# Altium PCB XC Driver Board.PcbDoc (part 2 of 2)
Units mm, origin at the board's own origin, x right, y up, seen from the top; angles counter-clockwise.
Board outline 294 x 74 mm, 2 copper layers (Top Layer, Bottom Layer), stack 1.571 mm thick; 103 components, 217 nets, 715 pads, 84 vias.
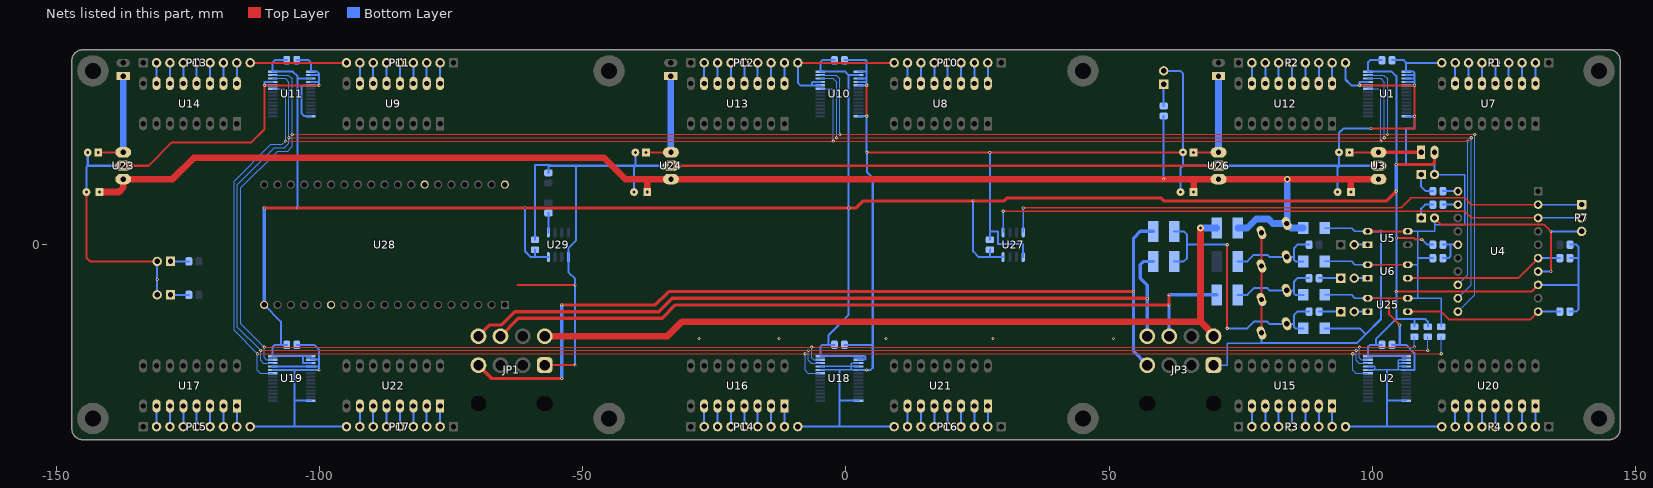
[diagram p2: the nets of this part, all layers, seen from the top]

## Via types
v1: diameter 0.61, hole 0.305, Top Layer to Bottom Layer, 82 vias
v2: diameter 1.27, hole 0.635, Top Layer to Bottom Layer, 2 vias

## Nets (pads, with @x,y where several pads share a name; then routed paths per layer and width w, separated by ;. In a path a pad name is that pad's centre, name@x,y a point inside that pad or via, vN(x,y) a via of type N, cw(c..) or ccw(c..) an arc to the next point about the centre after c; other vN are vias at no path point) (continued)
GND: C1.2 C2.2 C3.2 C4.2 C5.2 C6.2 C7.2 C8.2 C9.2 C10.2 C11.2 C12.2 C13.2 C14.2 C15.2 C16.2 D1.1 D2.1 D3.1 D4.2 D5.2 D6.2 D9.2 D11.2 D12.1 JP1.1 JP3.1 MOV1.2 MOV2.2 MOV3.2 MOV4.2 P1.9 P2.9 P3.9 P4.9 P7.3 P10.9 P11.9 P12.9 P13.9 P14.9 P15.9 P16.9 P17.9 R7.1 R11.1 R13.1 U1.1 U1.2 U1.3 U1.4 U1.5 U1.14 U1.24 U1.25 U2.2 U2.3 U2.4 U2.5 U2.14 U2.24 U2.25 U3.2 U4.7 U5.2 U5.3 U6.2 U6.3 U10.1 U10.3 U10.4 U10.5 U10.14 U10.24 U10.25 U11.1 U11.2 U11.4 U11.5 U11.14 U11.24 U11.25 U18.3 U18.4 U18.5 U18.14 U18.24 U18.25 U19.2 U19.4 U19.5 U19.14 U19.24 U19.25 U23.2 U24.2 U25.2 U25.3 U26.2 U27.5 U28.14 U28.32 U28.38 U29.5 | length 1127.8
  Top Layer w0.254: U25.2@99.06,-10.16 103.124,-10.16 U25.3@106.68,-10.16 ; U6.2@99.06,-3.81 U6.3@106.68,-3.81
  Top Layer w0.381: C14.2@-144.25,10 -144.25,-2.435 -143.503,-3.182 D4.2@-130.808,-3.182 ; U23.2@-137.25,15 -132.447,15 -128.016,19.431 -112.903,19.431 -110.447,21.887 v1(-110.447,30.269) v1(-100.053,30.269) ; P13.9@-113.144,34.544 P11.9@-94.856,34.544 ; -62.357,-7.62 v1(-51.435,-7.62) ; JP1.1@-57.2,-22.86 v1(-51.435,-22.86) ; U24.2@-33.25,15 U26.2@70.75,15 ; P12.9@-9.144,34.544 P10.9@9.144,34.544 ; v1(3.937,24.384) 3.937,30.259 v1(3.947,30.269) ; v1(3.966,17.555) C15.2@64.01,17.555 ; MOV4.2@78.893,-16.744 MOV3.2@78.893,-10.394 MOV2.2@78.893,-4.044 MOV1.2@78.893,2.306 ; v1(97.553,30.269) v1(107.947,30.269) 107.947,24.387 v1(107.95,24.384) 107.95,22.098 v1(99.695,22.098) ; U5.2@99.06,2.54 U5.3@106.68,2.54 ; 103.124,-10.16 103.124,-13.208 v1(105.156,-15.24) ; D6.2@111.758,5.073 112.97,3.861 132.537,3.861 v1(133.858,2.54) v1(133.858,-5.08)
  Bottom Layer w0.254: U18.24@-4.875,-23.769 -1.27,-23.769 1.016,-23.769 ; U18.25@-4.875,-23.119 1.016,-23.119 ; U18.5@2.375,-23.769 1.016,-23.769 ; U18.4@2.375,-23.119 1.016,-23.119 ; U18.3@2.375,-22.469 1.026,-22.469 1.016,-22.479 1.016,-23.119 ; JP3.1@69.8,-22.86 72.39,-22.86 72.39,-18.669 78.867,-18.669 78.893,-18.643 ; D3.1@90.957,-9.525 96.012,-9.525 96.647,-10.16 U25.2@99.06,-10.16 101.6,-10.16 ; D2.1@90.957,-3.175 96.012,-3.175 96.647,-3.81 U6.2@99.06,-3.81 101.6,-3.81 ; D1.1@90.957,3.175 96.012,3.175 96.647,2.54 U5.2@99.06,2.54 ; U2.24@99.125,-23.769 102.743,-23.769 U2.5@106.375,-23.769 ; U2.25@99.125,-23.119 100.452,-23.119 100.452,-23.646 ; 104.902,-23.749 104.902,-21.971 105.054,-21.819 U2.2@106.375,-21.819 ; 104.907,-23.119 U2.4@106.375,-23.119 ; 104.912,-22.469 U2.3@106.375,-22.469 ; U25.3@106.68,-10.16 108.585,-10.16 ; U6.3@106.68,-3.81 108.585,-3.81 ; U5.3@106.68,2.54 108.585,2.54 ; D6.2@111.758,5.073 D6.2@111.758,5.073 111.76,3.806 ; D5.2@111.758,13.328 117.468,13.328 117.475,13.335 117.475,3.81 111.764,3.81 111.76,3.806 ; R7.1@113.03,-15.56 113.03,-10.16 108.585,-10.16 ; 1.016,-23.769 1.016,-23.119 ; 108.585,-10.16 108.585,-3.81 ; 108.585,-3.81 108.585,-2.54 108.585,2.54 ; 108.585,2.54 111.76,2.54 111.76,3.806
  Bottom Layer w0.381: C14.2@-144.25,10 -144.25,14.74 -143.99,15 C6.2@-143.99,17.515 ; -143.75,15 U23.2@-137.25,15 ; D9.2@-130.808,-9.532 v1(-130.808,-6.604) D4.2@-130.808,-3.182 ; P15.9@-113.144,-34.544 P17.9@-94.856,-34.544 ; U19.24@-108.875,-23.769 U19.5@-101.625,-23.769 v1(-100.053,-23.769) -100.053,-23.114 ; U19.25@-108.875,-23.119 U19.4@-101.625,-23.119 -100.058,-23.119 -100.053,-23.114 ; U11.24@-108.875,30.269 v1(-110.447,30.269) -110.447,30.893 -110.421,30.919 U11.25@-108.875,30.919 ; -104.747,-34.516 -104.747,-29.619 ; -104.747,-23.797 -104.747,-29.619 ; C2.2@-104.3,-19 -101.6,-19 -101.015,-19 -100.053,-19.962 -100.053,-21.944 ; C1.2@-104.3,35.038 -102.028,35.038 -101.625,34.635 U11.1@-101.625,32.869 -100.433,32.869 -100.053,32.489 v1(-100.053,30.269) U11.5@-101.625,30.269 -103.081,30.269 -103.378,29.972 -103.378,24.892 -102.905,24.419 U11.14@-101.625,24.419 ; U19.14@-101.625,-29.619 -104.747,-29.619 ; U19.2@-101.625,-21.819 -100.178,-21.819 -100.053,-21.944 ; U11.4@-101.625,30.919 -100.122,30.919 ; U11.2@-101.625,32.219 -100.141,32.219 ; -101.534,34.544 P11.9@-94.856,34.544 ; C16.2@-59.055,0.95 -59.055,15.113 -56.247,15.113 -56.134,15 ; R11.1@-56.515,13.65 -56.515,14.986 -56.501,15 -56.134,15 ; v1(-51.435,-22.86) v1(-51.435,-7.62) -51.435,-6.477 -52.705,-5.207 U29.5@-52.705,-2.35 -52.705,-0.635 -51.308,0.762 -51.308,15 ; C3.2@-40.25,10 -40.25,14.74 -39.99,15 ; C13.2@-39.99,17.515 -39.99,15 ; U24.2@-33.25,15 -39.99,15 ; P14.9@-9.144,-34.544 -1.27,-34.544 ; P12.9@-9.144,34.544 -9.144,30.734 -8.679,30.269 -6.477,30.269 ; U10.24@-4.875,30.269 -6.477,30.269 ; U10.25@-4.875,30.919 -6.292,30.919 -6.477,30.734 -6.477,30.269 ; -1.27,-23.769 -1.27,-29.591 ; C9.2@-0.3,-19 5.03,-19 ; C10.2@-0.3,35.038 3.824,35.038 3.913,34.949 3.913,32.869 ; U18.14@2.375,-29.619 -1.242,-29.619 -1.27,-29.591 ; U18.5@2.375,-23.769 v1(3.947,-23.769) 4.679,-23.769 5.08,-23.368 5.08,12.7 3.966,13.814 v1(3.966,17.555) 3.937,17.526 v1(3.937,24.384) 3.902,24.419 U10.14@2.375,24.419 ; U10.5@2.375,30.269 v1(3.947,30.269) 3.913,30.303 3.913,32.869 ; U10.4@2.375,30.919 3.844,30.919 ; U10.3@2.375,31.569 3.84,31.569 ; U10.1@2.375,32.869 3.913,32.869 ; 4.04,34.544 P10.9@9.144,34.544 ; P16.9@9.144,-34.544 -1.27,-34.544 ; C12.2@27.305,0.95 27.305,2.54 ; v1(27.305,17.526) 27.305,2.54 ; U27.5@33.655,-2.35 33.655,0.127 28.829,0.127 28.829,2.54 27.305,2.54 ; D11.2@60.332,33.018 63.502,33.018 64.01,32.51 C15.2@64.01,17.555 ; C5.2@63.52,10 63.52,14.51 64.01,15 C15.2@64.01,17.515 ; 64.25,15 U26.2@70.75,15 93.625,15 ; MOV4.2@78.893,-16.744 78.893,-18.643 97.054,-18.643 98.679,-17.018 ; D12.1@90.957,-15.875 97.536,-15.875 98.679,-17.018 ; C11.2@93.365,10 93.365,14.625 93.625,14.885 93.625,15 ; P3.9@94.856,-34.544 102.743,-34.544 ; P2.9@94.856,34.544 94.856,31.382 95.969,30.269 v1(97.553,30.269) ; U5.2@99.06,2.54 101.473,2.54 101.6,2.667 101.6,-3.81 101.6,-10.16 101.6,-14.097 98.679,-17.018 ; U1.24@99.125,30.269 v1(97.553,30.269) ; U1.25@99.125,30.919 97.594,30.919 97.553,30.878 v1(97.553,30.269) ; v1(99.695,22.098) 94.488,22.098 93.625,21.235 93.625,17.525 93.625,15 ; U3.2@101.12,15 93.625,15 ; 102.743,-23.769 102.743,-34.544 ; 102.77,-29.618 U2.14@106.375,-29.618 ; C8.2@103.7,-19 105.156,-19 ; C7.2@103.7,35.038 105.932,35.038 106.375,34.595 U1.1@106.375,32.869 107.72,32.869 107.947,32.642 v1(107.947,30.269) U1.5@106.375,30.269 ; v1(105.156,-15.24) 105.156,-19 ; U2.5@106.375,-23.769 107.947,-23.769 107.947,-20.571 106.376,-19 105.156,-19 ; U1.4@106.375,30.919 107.878,30.919 ; U1.3@106.375,31.569 107.874,31.569 ; U1.2@106.375,32.219 107.911,32.219 ; U1.14@106.41,24.384 v1(107.95,24.384) 107.95,22.098 106.299,22.098 106.299,15.24 111.76,15.24 111.758,15.238 D5.2@111.758,13.328 ; 106.426,34.544 P1.9@113.144,34.544 ; 108.585,-2.54 R13.1@111.445,-2.54 ; P4.9@113.144,-34.544 102.743,-34.544 ; U4.7@131.445,-5.08 v1(133.858,-5.08) ; v1@134.112,2.54 P7.3@139.7,2.54 ; -100.053,-23.114 -100.053,-21.944 ; -56.134,15 -51.308,15 ; -51.308,15 -39.99,15 ; -1.27,-34.544 -1.27,-29.591
  other v1: -27.94,-17.78 -12.7,-17.78 7.62,-17.78 27.94,-17.78 50.8,-17.78
I+: D13.1 R4.1 | length 4.1
  Bottom Layer w0.381: R4.1@89.857,-12.707 D13.1@93.978,-12.707
IND: R37.2 U4.10 U25.4 | length 30.2
  Top Layer w0.381: U25.4@106.68,-12.7 113.03,-12.7 114.554,-14.224 129.921,-14.224 U4.10@131.445,-12.7
  Bottom Layer w0.381: U4.10@131.445,-12.7 R37.2@135.575,-12.7
IND_LEFT: FUSE4.1 JP1.8 JP3.8 | length 146.8
  Top Layer w0.635: JP1.8@-69.8,-17.36 -67.68,-15.24 -65.405,-15.24 -62.865,-12.7 -35.56,-12.7 -33.02,-10.16 57.15,-10.16 v1(57.2,-10.21)
  Bottom Layer w0.635: JP3.8@57.2,-17.36 v1(57.2,-10.21) 57.2,-7.67 55.88,-6.35 55.88,-3.81 56.515,-3.175 FUSE4.1@58.325,-3.175
IND_RIGHT: FUSE5.1 JP1.4 JP3.4 | length 169.9
  Top Layer w0.635: JP1.4@-69.8,-22.86 -67.26,-25.4 v1(-53.975,-25.4) ; v1(-53.975,-11.43) -36.195,-11.43 -33.655,-8.89 v1(54.61,-8.89)
  Bottom Layer w0.635: v1(-53.975,-25.4) v1(-53.975,-11.43) ; JP3.4@57.2,-22.86 54.61,-20.27 v1(54.61,-8.89) 54.61,1.27 55.88,2.54 FUSE5.1@58.325,2.54
LED_0: R33.2 U4.19 | length 2.9
  Bottom Layer w0.381: R33.2@113.345,7.62 U4.19@116.205,7.62
LED_1: R32.2 U4.20 | length 2.9
  Bottom Layer w0.381: R32.2@113.345,10.16 U4.20@116.205,10.16
NetC4_1: C4.1 P8.1 U3.3 | length 13.6
  Top Layer w0.381: C4.1@95.615,17.54 U3.3@101.12,17.54
  Top Layer w0.635: U3.3@101.12,17.54 P8.1@109.22,17.54
NetC6_1: C6.1 P18.1 U23.3 | length 19.2
  Top Layer w0.381: C6.1@-141.96,17.54 U23.3@-137.25,17.54
  Bottom Layer w1.27: U23.3@-137.25,17.54 P18.1@-137.25,31.98
NetC13_1: C13.1 P9.1 U24.3 | length 19.2
  Top Layer w0.381: C13.1@-37.96,17.54 U24.3@-33.25,17.54
  Bottom Layer w1.27: U24.3@-33.25,17.54 P9.1@-33.25,31.98
NetC15_1: C15.1 P5.1 U26.3 | length 19.2
  Top Layer w0.381: C15.1@66,17.54 U26.3@70.75,17.54
  Bottom Layer w1.27: U26.3@70.75,17.54 P5.1@70.75,31.98
NetD2_2: D2.2 FUSE2.2 MOV2.1 R2.2 | length 18.7
  Bottom Layer w0.381: FUSE2.2@74.39,-3.175 76.2,-3.175 77.47,-1.905 80.01,-1.905 80.411,-2.306 MOV2.1@83.667,-2.306 85.09,-2.306 ; D2.2@86.843,-3.175 85.344,-3.175 85.09,-2.921 85.09,-2.306 ; R2.2@87.95,0 85.725,0 85.09,-0.635 85.09,-2.306
NetD3_2: D3.2 FUSE3.2 MOV3.1 R3.2 | length 18.7
  Bottom Layer w0.381: FUSE3.2@74.39,-9.525 76.2,-9.525 77.47,-8.255 80.01,-8.255 80.411,-8.656 MOV3.1@83.667,-8.656 85.09,-8.656 ; D3.2@86.843,-9.525 85.344,-9.525 85.09,-9.271 85.09,-8.656 ; R3.2@87.95,-6.35 85.725,-6.35 85.09,-6.985 85.09,-8.656
NetD4_1: D4.1 R8.1 | length 3.5
  Bottom Layer w0.381: D4.1@-128.261,-3.175 R8.1@-124.775,-3.175
NetD5_1: D5.1 R32.1 | length 4.9
  Bottom Layer w0.381: D5.1@109.218,13.328 109.218,11.051 110.109,10.16 R32.1@111.445,10.16
NetD6_1: D6.1 R33.1 | length 4.3
  Bottom Layer w0.381: D6.1@109.218,5.073 109.218,6.856 109.982,7.62 R33.1@111.445,7.62
NetD7_2: D7.2 U5.1 | length 2.5
  Bottom Layer w0.381: D7.2@96.526,0 U5.1@99.06,0
NetD8_2: D8.2 U6.1 | length 2.5
  Bottom Layer w0.381: D8.2@96.526,-6.35 U6.1@99.06,-6.35
NetD9_1: D9.1 R9.1 | length 3.5
  Bottom Layer w0.381: D9.1@-128.261,-9.525 R9.1@-124.775,-9.525
NetD11_1: D11.1 R1.1 | length 4.1
  Bottom Layer w0.381: R1.1@60.325,26.35 D11.1@60.325,30.471
NetD12_2: D12.2 FUSE4.2 FUSE5.2 MOV4.1 R4.2 | length 54
  Top Layer w0.381: v1(72.39,-15.875) v1(72.39,0)
  Bottom Layer w0.381: FUSE4.2@62.325,-3.175 64.135,-3.175 64.77,-2.54 64.77,0 ; FUSE5.2@62.325,2.54 64.135,2.54 64.77,1.905 64.77,0 ; v1(72.39,-15.875) 76.2,-15.875 77.47,-14.605 80.01,-14.605 80.411,-15.006 MOV4.1@83.667,-15.006 85.09,-15.006 ; v1(72.39,0) 64.77,0 ; D12.2@86.843,-15.875 85.344,-15.875 85.09,-15.621 85.09,-15.006 ; R4.2@87.95,-12.7 85.725,-12.7 85.09,-13.335 85.09,-15.006
NetD13_2: D13.2 U25.1 | length 2.5
  Bottom Layer w0.381: D13.2@96.526,-12.7 U25.1@99.06,-12.7
NetP1_2: P1.2 U7.16 | length 3.9
  Bottom Layer w0.381: U7.16@130.924,30.62 P1.2@130.924,34.544
NetP1_3: P1.3 U7.15 | length 3.9
  Bottom Layer w0.381: U7.15@128.384,30.62 P1.3@128.384,34.544
NetP1_4: P1.4 U7.14 | length 3.9
  Bottom Layer w0.381: U7.14@125.844,30.62 P1.4@125.844,34.544
NetP1_5: P1.5 U7.13 | length 3.9
  Bottom Layer w0.381: U7.13@123.304,30.62 P1.5@123.304,34.544
NetP1_6: P1.6 U7.12 | length 3.9
  Bottom Layer w0.381: U7.12@120.764,30.62 P1.6@120.764,34.544
NetP1_7: P1.7 U7.11 | length 3.9
  Bottom Layer w0.381: U7.11@118.224,30.62 P1.7@118.224,34.544
NetP1_8: P1.8 U7.10 | length 3.9
  Bottom Layer w0.381: U7.10@115.684,30.62 P1.8@115.684,34.544
NetP2_2: P2.2 U12.10 | length 3.9
  Bottom Layer w0.381: U12.10@77.076,30.62 P2.2@77.076,34.544
NetP2_3: P2.3 U12.11 | length 3.9
  Bottom Layer w0.381: U12.11@79.616,30.62 P2.3@79.616,34.544
NetP2_4: P2.4 U12.12 | length 3.9
  Bottom Layer w0.381: U12.12@82.156,30.62 P2.4@82.156,34.544
NetP2_5: P2.5 U12.13 | length 3.9
  Bottom Layer w0.381: U12.13@84.696,30.62 P2.5@84.696,34.544
NetP2_6: P2.6 U12.14 | length 3.9
  Bottom Layer w0.381: U12.14@87.236,30.62 P2.6@87.236,34.544
NetP2_7: P2.7 U12.15 | length 3.9
  Bottom Layer w0.381: U12.15@89.776,30.62 P2.7@89.776,34.544
NetP2_8: P2.8 U12.16 | length 3.9
  Bottom Layer w0.381: U12.16@92.316,30.62 P2.8@92.316,34.544
NetP3_2: P3.2 U15.7 | length 3.9
  Bottom Layer w0.381: P3.2@77.076,-34.544 U15.7@77.076,-30.62
NetP3_3: P3.3 U15.6 | length 3.9
  Bottom Layer w0.381: P3.3@79.616,-34.544 U15.6@79.616,-30.62
NetP3_4: P3.4 U15.5 | length 3.9
  Bottom Layer w0.381: P3.4@82.156,-34.544 U15.5@82.156,-30.62
NetP3_5: P3.5 U15.4 | length 3.9
  Bottom Layer w0.381: P3.5@84.696,-34.544 U15.4@84.696,-30.62
NetP3_6: P3.6 U15.3 | length 3.9
  Bottom Layer w0.381: P3.6@87.236,-34.544 U15.3@87.236,-30.62
NetP3_7: P3.7 U15.2 | length 3.9
  Bottom Layer w0.381: P3.7@89.776,-34.544 U15.2@89.776,-30.62
NetP3_8: P3.8 U15.1 | length 3.9
  Bottom Layer w0.381: P3.8@92.316,-34.544 U15.1@92.316,-30.62
NetP4_2: P4.2 U20.1 | length 3.9
  Bottom Layer w0.381: P4.2@130.924,-34.544 U20.1@130.924,-30.62
NetP4_3: P4.3 U20.2 | length 3.9
  Bottom Layer w0.381: P4.3@128.384,-34.544 U20.2@128.384,-30.62
NetP4_4: P4.4 U20.3 | length 3.9
  Bottom Layer w0.381: P4.4@125.844,-34.544 U20.3@125.844,-30.62
NetP4_5: P4.5 U20.4 | length 3.9
  Bottom Layer w0.381: P4.5@123.304,-34.544 U20.4@123.304,-30.62
NetP4_6: P4.6 U20.5 | length 3.9
  Bottom Layer w0.381: P4.6@120.764,-34.544 U20.5@120.764,-30.62
NetP4_7: P4.7 U20.6 | length 3.9
  Bottom Layer w0.381: P4.7@118.224,-34.544 U20.6@118.224,-30.62
NetP4_8: P4.8 U20.7 | length 3.9
  Bottom Layer w0.381: P4.8@115.684,-34.544 U20.7@115.684,-30.62
NetP10_2: P10.2 U8.16 | length 3.9
  Bottom Layer w0.381: U8.16@26.924,30.62 P10.2@26.924,34.544
NetP10_3: P10.3 U8.15 | length 3.9
  Bottom Layer w0.381: U8.15@24.384,30.62 P10.3@24.384,34.544
NetP10_4: P10.4 U8.14 | length 3.9
  Bottom Layer w0.381: U8.14@21.844,30.62 P10.4@21.844,34.544
NetP10_5: P10.5 U8.13 | length 3.9
  Bottom Layer w0.381: U8.13@19.304,30.62 P10.5@19.304,34.544
NetP10_6: P10.6 U8.12 | length 3.9
  Bottom Layer w0.381: U8.12@16.764,30.62 P10.6@16.764,34.544
NetP10_7: P10.7 U8.11 | length 3.9
  Bottom Layer w0.381: U8.11@14.224,30.62 P10.7@14.224,34.544
NetP10_8: P10.8 U8.10 | length 3.9
  Bottom Layer w0.381: U8.10@11.684,30.62 P10.8@11.684,34.544
NetP11_2: P11.2 U9.16 | length 3.9
  Bottom Layer w0.381: U9.16@-77.076,30.62 P11.2@-77.076,34.544
NetP11_3: P11.3 U9.15 | length 3.9
  Bottom Layer w0.381: U9.15@-79.616,30.62 P11.3@-79.616,34.544
NetP11_4: P11.4 U9.14 | length 3.9
  Bottom Layer w0.381: U9.14@-82.156,30.62 P11.4@-82.156,34.544
NetP11_5: P11.5 U9.13 | length 3.9
  Bottom Layer w0.381: U9.13@-84.696,30.62 P11.5@-84.696,34.544
NetP11_6: P11.6 U9.12 | length 3.9
  Bottom Layer w0.381: U9.12@-87.236,30.62 P11.6@-87.236,34.544
NetP11_7: P11.7 U9.11 | length 3.9
  Bottom Layer w0.381: U9.11@-89.776,30.62 P11.7@-89.776,34.544
NetP11_8: P11.8 U9.10 | length 3.9
  Bottom Layer w0.381: U9.10@-92.316,30.62 P11.8@-92.316,34.544
NetP12_2: P12.2 U13.10 | length 3.9
  Bottom Layer w0.381: U13.10@-26.924,30.62 P12.2@-26.924,34.544
NetP12_3: P12.3 U13.11 | length 3.9
  Bottom Layer w0.381: U13.11@-24.384,30.62 P12.3@-24.384,34.544
NetP12_4: P12.4 U13.12 | length 3.9
  Bottom Layer w0.381: U13.12@-21.844,30.62 P12.4@-21.844,34.544
NetP12_5: P12.5 U13.13 | length 3.9
  Bottom Layer w0.381: U13.13@-19.304,30.62 P12.5@-19.304,34.544
NetP12_6: P12.6 U13.14 | length 3.9
  Bottom Layer w0.381: U13.14@-16.764,30.62 P12.6@-16.764,34.544
NetP12_7: P12.7 U13.15 | length 3.9
  Bottom Layer w0.381: U13.15@-14.224,30.62 P12.7@-14.224,34.544
NetP12_8: P12.8 U13.16 | length 3.9
  Bottom Layer w0.381: U13.16@-11.684,30.62 P12.8@-11.684,34.544
NetP13_2: P13.2 U14.10 | length 3.9
  Bottom Layer w0.381: U14.10@-130.924,30.62 P13.2@-130.924,34.544
NetP13_3: P13.3 U14.11 | length 3.9
  Bottom Layer w0.381: U14.11@-128.384,30.62 P13.3@-128.384,34.544
NetP13_4: P13.4 U14.12 | length 3.9
  Bottom Layer w0.381: U14.12@-125.844,30.62 P13.4@-125.844,34.544
NetP13_5: P13.5 U14.13 | length 3.9
  Bottom Layer w0.381: U14.13@-123.304,30.62 P13.5@-123.304,34.544
NetP13_6: P13.6 U14.14 | length 3.9
  Bottom Layer w0.381: U14.14@-120.764,30.62 P13.6@-120.764,34.544
NetP13_7: P13.7 U14.15 | length 3.9
  Bottom Layer w0.381: U14.15@-118.224,30.62 P13.7@-118.224,34.544
NetP13_8: P13.8 U14.16 | length 3.9
  Bottom Layer w0.381: U14.16@-115.684,30.62 P13.8@-115.684,34.544
NetP14_2: P14.2 U16.7 | length 3.9
  Bottom Layer w0.381: P14.2@-26.924,-34.544 U16.7@-26.924,-30.62
NetP14_3: P14.3 U16.6 | length 3.9
  Bottom Layer w0.381: P14.3@-24.384,-34.544 U16.6@-24.384,-30.62
NetP14_4: P14.4 U16.5 | length 3.9
  Bottom Layer w0.381: P14.4@-21.844,-34.544 U16.5@-21.844,-30.62
NetP14_5: P14.5 U16.4 | length 3.9
  Bottom Layer w0.381: P14.5@-19.304,-34.544 U16.4@-19.304,-30.62
NetP14_6: P14.6 U16.3 | length 3.9
  Bottom Layer w0.381: P14.6@-16.764,-34.544 U16.3@-16.764,-30.62
NetP14_7: P14.7 U16.2 | length 3.9
  Bottom Layer w0.381: P14.7@-14.224,-34.544 U16.2@-14.224,-30.62
NetP14_8: P14.8 U16.1 | length 3.9
  Bottom Layer w0.381: P14.8@-11.684,-34.544 U16.1@-11.684,-30.62
NetP15_2: P15.2 U17.7 | length 3.9
  Bottom Layer w0.381: P15.2@-130.924,-34.544 U17.7@-130.924,-30.62
NetP15_3: P15.3 U17.6 | length 3.9
  Bottom Layer w0.381: P15.3@-128.384,-34.544 U17.6@-128.384,-30.62
NetP15_4: P15.4 U17.5 | length 3.9
  Bottom Layer w0.381: P15.4@-125.844,-34.544 U17.5@-125.844,-30.62
NetP15_5: P15.5 U17.4 | length 3.9
  Bottom Layer w0.381: P15.5@-123.304,-34.544 U17.4@-123.304,-30.62
NetP15_6: P15.6 U17.3 | length 3.9
  Bottom Layer w0.381: P15.6@-120.764,-34.544 U17.3@-120.764,-30.62
NetP15_7: P15.7 U17.2 | length 3.9
  Bottom Layer w0.381: P15.7@-118.224,-34.544 U17.2@-118.224,-30.62
NetP15_8: P15.8 U17.1 | length 3.9
  Bottom Layer w0.381: P15.8@-115.684,-34.544 U17.1@-115.684,-30.62
NetP16_2: P16.2 U21.1 | length 3.9
  Bottom Layer w0.381: P16.2@26.924,-34.544 U21.1@26.924,-30.62
NetP16_3: P16.3 U21.2 | length 3.9
  Bottom Layer w0.381: P16.3@24.384,-34.544 U21.2@24.384,-30.62
NetP16_4: P16.4 U21.3 | length 3.9
  Bottom Layer w0.381: P16.4@21.844,-34.544 U21.3@21.844,-30.62
NetP16_5: P16.5 U21.4 | length 3.9
  Bottom Layer w0.381: P16.5@19.304,-34.544 U21.4@19.304,-30.62
NetP16_6: P16.6 U21.5 | length 3.9
  Bottom Layer w0.381: P16.6@16.764,-34.544 U21.5@16.764,-30.62
NetP16_7: P16.7 U21.6 | length 3.9
  Bottom Layer w0.381: P16.7@14.224,-34.544 U21.6@14.224,-30.62
NetP16_8: P16.8 U21.7 | length 3.9
  Bottom Layer w0.381: P16.8@11.684,-34.544 U21.7@11.684,-30.62
NetP17_2: P17.2 U22.1 | length 3.9
  Bottom Layer w0.381: P17.2@-77.076,-34.544 U22.1@-77.076,-30.62
NetP17_3: P17.3 U22.2 | length 3.9
  Bottom Layer w0.381: P17.3@-79.616,-34.544 U22.2@-79.616,-30.62
NetP17_4: P17.4 U22.3 | length 3.9
  Bottom Layer w0.381: P17.4@-82.156,-34.544 U22.3@-82.156,-30.62
NetP17_5: P17.5 U22.4 | length 3.9
  Bottom Layer w0.381: P17.5@-84.696,-34.544 U22.4@-84.696,-30.62
NetP17_6: P17.6 U22.5 | length 3.9
  Bottom Layer w0.381: P17.6@-87.236,-34.544 U22.5@-87.236,-30.62
NetP17_7: P17.7 U22.6 | length 3.9
  Bottom Layer w0.381: P17.7@-89.776,-34.544 U22.6@-89.776,-30.62
NetP17_8: P17.8 U22.7 | length 3.9
  Bottom Layer w0.381: P17.8@-92.316,-34.544 U22.7@-92.316,-30.62
NetR10_1: R10.1 U29.1 | length 3.7
  Bottom Layer w0.381: U29.1@-56.515,2.35 R10.1@-56.515,6.035
O\E\: R7.2 U1.23 U2.23 U4.13 U10.23 U11.23 U18.23 U19.23 | length 583.5
  Top Layer w0.203: v1(-111.76,-20.701) v1(-7.76,-20.701) v1(96.24,-20.701) v1(113.03,-20.701) ; v1(-106.426,19.685) v1(-2.426,19.685) v1(101.574,19.685) v1(118.11,19.685)
  Bottom Layer w0.203: U19.23@-108.875,-24.419 -111.217,-24.419 -111.76,-23.876 v1(-111.76,-20.701) -116.205,-16.256 -116.205,12.065 -109.22,19.05 -107.061,19.05 v1(-106.426,19.685) -106.426,29.21 -106.835,29.619 U11.23@-108.875,29.619 ; v1(-7.76,-20.701) -7.76,-23.876 -7.217,-24.419 U18.23@-4.875,-24.419 ; U10.23@-4.875,29.619 -2.835,29.619 -2.426,29.21 v1(-2.426,19.685) ; v1(96.24,-20.701) 96.24,-23.876 96.783,-24.419 U2.23@99.125,-24.419 ; U1.23@99.125,29.619 101.165,29.619 101.574,29.21 v1(101.574,19.685) ; v1(113.03,-20.701) R7.2@113.03,-17.46 ; U4.13@116.205,-7.62 118.11,-5.715 v1(118.11,19.685)
P+: D8.1 R3.1 | length 4.1
  Bottom Layer w0.381: R3.1@89.857,-6.357 D8.1@93.978,-6.357
PARK: R36.2 U4.6 U6.4 | length 30.5
  Top Layer w0.381: U6.4@106.68,-6.35 127.635,-6.35 U4.6@131.445,-2.54
  Bottom Layer w0.381: U4.6@131.445,-2.54 R36.2@135.575,-2.54
PARK-IN: FUSE3.1 JP1.7 JP3.7 | length 146.3
  Top Layer w0.635: JP1.7@-65.6,-17.36 -62.21,-13.97 -34.925,-13.97 -32.385,-11.43 v1(61.35,-11.43) v1(61.35,-9.525)
  Bottom Layer w0.635: v1(61.35,-11.43) 61.35,-17.31 JP3.7@61.4,-17.36 ; v1(61.35,-9.525) FUSE3.1@70.39,-9.525
POWER: FUSE1.1 JP1.5 JP3.5 | length 150.3
  Top Layer w1.27: JP1.5@-57.2,-17.36 -33.87,-17.36 -31.115,-14.605 67.31,-14.605 ; v2(67.31,3.175) 67.31,-14.605 ; JP3.5@69.8,-17.36 69.8,-17.095 67.31,-14.605
  Bottom Layer w1.27: v2(67.31,3.175) FUSE1.1@70.39,3.175
RX: P7.2 U4.3 U27.1 | length 114.4
  Top Layer w0.254: v1(29.845,6.35) 117.475,6.35 118.745,5.08 U4.3@131.445,5.08
  Bottom Layer w0.254: U27.1@29.845,2.35 v1(29.845,6.35) ; U4.3@131.445,5.08 P7.2@139.7,5.08
SCL: R5.2 U1.26 U2.26 U4.12 U10.26 U11.26 U18.26 U19.26 | length 582.5
  Top Layer w0.203: v1(-111.125,-20.066) v1(-7.112,-20.066) v1(96.901,-20.066) v1(110.49,-20.066) ; v1(-105.791,20.32) v1(-1.791,20.32) v1(102.209,20.32) v1(118.745,20.32)
  Bottom Layer w0.203: U19.26@-108.875,-22.469 -110.627,-22.469 -111.125,-21.971 v1(-111.125,-20.066) -115.57,-15.621 -115.57,11.43 -108.585,18.415 -106.68,18.415 -105.791,19.304 v1(-105.791,20.32) -105.791,30.861 -106.499,31.569 U11.26@-108.875,31.569 ; v1@-7.125,-20.066 -7.125,-21.971 -6.627,-22.469 U18.26@-4.875,-22.469 ; U10.26@-4.875,31.569 -2.499,31.569 -1.791,30.861 v1(-1.791,20.32) ; v1(96.901,-20.066) 96.875,-20.066 96.875,-21.971 97.373,-22.469 U2.26@99.125,-22.469 ; U1.26@99.125,31.569 101.501,31.569 102.209,30.861 v1(102.209,20.32) ; v1(110.49,-20.066) R5.2@110.49,-17.46 ; U4.12@116.205,-10.16 118.745,-7.62 v1(118.745,20.32)
SDA: R6.2 U1.27 U2.27 U4.11 U10.27 U11.27 U18.27 U19.27 | length 582.4
  Top Layer w0.203: v1(-110.49,-19.431) v1(-6.49,-19.431) v1(97.536,-19.431) v1(107.95,-19.431) ; v1(-105.156,20.955) v1(-1.156,20.955) v1(102.844,20.955) v1(119.38,20.955)
  Bottom Layer w0.203: U19.27@-108.875,-21.819 -110.134,-21.819 -110.49,-21.463 v1(-110.49,-19.431) -114.935,-14.986 -114.935,10.795 -107.95,17.78 -106.045,17.78 -105.156,18.669 v1(-105.156,20.955) -105.156,31.496 -105.879,32.219 U11.27@-108.875,32.219 ; v1(-6.49,-19.431) -6.49,-21.463 -6.134,-21.819 U18.27@-4.875,-21.819 ; U10.27@-4.875,32.219 -1.879,32.219 -1.156,31.496 v1(-1.156,20.955) ; 97.51,-20.319 97.51,-21.463 97.866,-21.819 U2.27@99.125,-21.819 ; 97.511,-20.319 v1@97.511,-19.432 ; U1.27@99.125,32.219 102.121,32.219 102.844,31.496 v1(102.844,20.955) ; v1(107.95,-19.431) R6.2@107.95,-17.46 ; U4.11@116.205,-12.7 119.38,-9.525 v1(119.38,20.955)
SIDE: R12.2 R13.2 U4.16 | length 6.6
  Bottom Layer w0.381: R13.2@113.345,-2.54 114.427,-2.54 114.775,-2.192 114.775,-0.033 114.808,0 ; R12.2@113.345,0 114.808,0 ; U4.16@116.205,0 114.808,0
TX: P7.1 U4.2 U27.4 | length 112
  Top Layer w0.254: v1(33.655,6.985) 105.41,6.985 107.315,8.89 117.475,8.89 118.745,7.62 U4.2@131.445,7.62
  Bottom Layer w0.254: U27.4@33.655,2.35 v1(33.655,6.985) ; U4.2@131.445,7.62 P7.1@139.7,7.62
V+: C3.1 C5.1 C11.1 C14.1 D1.2 FUSE1.2 MOV1.1 R1.2 U3.1 U23.1 U24.1 U26.1 | length 289.7
  Top Layer w1.27: C14.1@-141.75,10 -138.082,10 -137.25,10.832 U23.1@-137.25,12.46 -127.875,12.46 -123.825,16.51 -45.96,16.51 -41.91,12.46 U24.1@-33.25,12.46 v1(60.325,12.46) U26.1@70.75,12.46 U3.1@101.12,12.46 ; C3.1@-37.75,10 -37.75,12.302 ; C5.1@66.02,10 66.02,12.44 ; C11.1@95.865,10 95.865,12.44
  Bottom Layer w0.381: v1(60.325,12.46) 60.325,13.548 60.325,19.622 R1.2@60.325,24.45
  Bottom Layer w1.27: FUSE1.2@74.39,3.175 76.2,3.175 77.904,4.879 80.211,4.879 81.046,4.044 MOV1.1@83.667,4.044 ; v2(83.82,12.46) 83.82,4.197 MOV1.1@83.667,4.044 ; D1.2@86.843,3.175 84.536,3.175 MOV1.1@83.667,4.044
VCC: C1.1 C2.1 C7.1 C8.1 C9.1 C10.1 C12.1 C16.1 P8.2 R5.1 R6.1 R12.1 R34.1 R36.1 R37.1 U1.28 U2.1 U2.28 U4.8 U10.2 U10.28 U11.3 U11.28 U18.1 U18.2 U18.28 U19.1 U19.3 U19.28 U27.8 U28.19 U29.8 | length 559.5
  Top Layer w0.381: v1(104.495,-8.89) 130.175,-8.89 U4.8@131.445,-7.62 ; v1(104.521,1.27) 107.823,1.27 108.077,1.016 v1(109.347,1.016)
  Top Layer w0.635: v1(-110.49,6.985) v1(-104.14,6.985) v1(-60.96,6.985) v1(0.508,6.985) 1.905,6.985 3.238,8.319 v1(24.13,8.319) 30.035,8.319 30.607,8.89 59.753,8.89 60.325,8.319 102.654,8.319 v1(104.495,10.16) ; v1(104.495,15.24) 111.379,15.24 111.76,15.621 P8.2@111.76,17.54
  Bottom Layer w0.381: U28.19@-110.49,-11.43 -107.315,-14.605 -107.315,-19 ; C2.1@-106.2,-19 -107.315,-19 ; C1.1@-106.2,35.038 -108.472,35.038 -108.875,34.635 U11.28@-108.875,32.869 -105.029,32.869 -104.14,31.98 v1(-104.14,6.985) ; -104.067,31.569 U11.3@-101.625,31.569 ; -103.114,-21.219 -103.114,-22.469 U19.3@-101.625,-22.469 ; U19.1@-101.625,-21.169 U19.28@-108.875,-21.169 -108.875,-19.403 -108.472,-19 -107.315,-19 ; v1(-60.96,6.985) -60.96,-1.27 -59.88,-2.35 -59.055,-2.35 ; C16.1@-59.055,-0.95 -59.055,-2.35 ; U29.8@-56.515,-2.35 -59.055,-2.35 ; -3.315,-19 -3.315,-17.145 0.495,-13.335 0.495,32.004 0.508,32.017 0.508,32.219 ; C9.1@-2.2,-19 -4.472,-19 -4.875,-19.403 U18.28@-4.875,-21.169 U18.1@2.375,-21.169 3.516,-21.169 3.683,-21.336 3.683,-21.652 3.516,-21.819 U18.2@2.375,-21.819 ; C10.1@-2.2,35.038 -4.472,35.038 -4.875,34.635 U10.28@-4.875,32.869 -0.142,32.869 0.508,32.219 ; U10.2@2.375,32.219 0.508,32.219 ; v1(24.13,8.319) 24.13,-1.27 25.21,-2.35 27.305,-2.35 ; C12.1@27.305,-0.95 27.305,-2.35 ; U27.8@29.845,-2.35 27.305,-2.35 ; U2.28@99.125,-21.169 99.125,-19.403 99.528,-19 100.685,-19 ; U2.28@99.125,-21.169 U2.1@106.375,-21.169 ; C8.1@101.8,-19 100.685,-19 ; C7.1@101.8,35.038 99.528,35.038 99.125,34.635 U1.28@99.125,32.869 103.63,32.869 104.495,32.004 v1(104.495,15.24) ; v1@104.495,1.27 v1(104.495,-8.89) 104.495,-14.071 ; v1(104.521,1.27) v1@104.521,10.134 ; R6.1@107.95,-15.56 107.95,-14.097 ; v1(109.347,1.016) 110.363,0 R12.1@111.445,0 ; R5.1@110.49,-15.56 110.49,-14.605 109.982,-14.097 107.95,-14.097 ; U4.8@131.445,-7.62 139.065,-7.62 ; R37.1@137.475,-12.7 138.684,-12.7 139.065,-12.319 139.065,-7.62 ; R36.1@137.475,-2.54 138.938,-2.54 ; R34.1@137.475,0 138.684,0 139.065,-0.381 139.065,-7.62 ; 100.685,-19 100.685,-17.881 104.495,-14.071 ; 104.495,-14.071 104.521,-14.097 107.95,-14.097
  Bottom Layer w0.635: U28.19@-110.49,-11.43 v1(-110.49,6.985) ; v1(104.495,10.16) v1(104.495,15.24)
pads on no net: JP1.MOUNT JP3.MOUNT U1.6 U1.15 U2.6 U2.15 U4.4 U4.9 U4.14 U4.15 U4.17 U4.18 U7.8 U7.9 U8.8 U8.9 U9.8 U9.9 U10.6 U10.15 U11.6 U11.15 U12.8 U12.9 U13.8 U13.9 U14.8 U14.9 U15.8 U15.9 U16.8 U16.9 U17.8 U17.9 U18.6 U18.15 U19.6 U19.15 U20.8 U20.9 U21.8 U21.9 U22.8 U22.9 U28.1 U28.2 U28.3 U28.4 U28.5 U28.6 U28.7 U28.8 U28.9 U28.10 U28.11 U28.12 U28.13 U28.15 U28.16 U28.20 U28.21 U28.22 U28.23 U28.24 U28.25 U28.26 U28.27 U28.28 U28.29 U28.30 U28.31 U28.33 U28.36

## Polygon pours and split planes (outlines as drawn)
GND on Top Layer "TOP GND" (solid, remove dead copper, pour order 2): -147,-35 -147,35 cw(c-145,35) -145,37 145,37 cw(c145,35) 147,35 147,-35 cw(c145,-35) 145,-37 -145,-37 cw(c-145,-35)
GND on Bottom Layer "BOTTOM GND" (solid, remove dead copper, pour order 3): -147,-35 -147,35 cw(c-145,35) -145,37 145,37 cw(c145,35) 147,35 147,-35 cw(c145,-35) 145,-37 -145,-37 cw(c-145,-35)

## Silkscreen, mask and mechanical layers (free items; w line width, h text height)
Top Overlay:
  text "LOWCOSTLABS.COM.AU" at -35.306,4.699 h4
  text "FORD XB-XC COUPE" at -35.433,-0.635 h4
  text "TAIL LIGHT DRIVER" at -35.814,-5.715 h4
  text "a" at -36.195,-21.336 h30
Bottom Overlay:
  text "LOWCOSTLABS.COM.AU" at 55.753,16.002 h4
  text "FORD XB-XC COUPE" at 55.753,11.176 h4
  text "TAIL LIGHT DRIVER" at 55.626,6.604 h4
  text "a" at 8.382,-20.193 h30
  text "RIGHT" at -32.5,-28.5 h5
  text "LEFT" at 53,-28.5 h5
Mechanical 1:
  circle w0.1: c42.5,0 r5
  circle w0.1: c-42.5,0 r5
  lines w0.2: -147,-35 ccw(c-145,-35) -145,-37 0,-37 145,-37 ccw(c145,-35) 147,-35 147,35 ; -147,-35 -147,-35 ; -147,-35 -147,35 cw(c-145,35) -145,37 0,37 145,37 cw(c145,35) 147,35 ; 147,35 147,35
Mechanical 2:
  circle w0.1: c143,33 r1.414
  circle w0.1: c143,33 r3
  circle w0.1: c143,-33 r1.414
  circle w0.1: c143,-33 r3
  circle w0.1: c-143,-33 r1.414
  circle w0.1: c-143,-33 r3
  circle w0.1: c-143,33 r3
  circle w0.1: c-143,33 r1.414
  lines w0.2: -143,-33 -143,0 ; -143,33 -143,0 ; -137.274,34.544 -133.464,34.544 ; -77.076,34.544 -74.536,34.544 ; -74.536,15 -74.536,34.5 ; -74.536,32.004 -74.536,34.544 ; -71.996,34.544 -74.536,34.544 ; -65.6,-22.86 -61.4,-22.86 ; -65.6,-17.36 -61.4,-17.36 ; -64,-20.11 -63.5,-20.11 ; -63.5,-17.36 -63.5,-22.86 ; -45,33 0,33 0,0 ; -33.274,34.544 -29.464,34.544 ; 0,-33 0,0 ; 7.5,32.5 7.5,36.5 31.5,36.5 31.5,0 0,0 ; 29.464,15 29.464,34.5 ; 29.464,32.004 29.464,34.544 32.004,34.544 ; 70.726,34.544 74.536,34.544 ; 72.5,0 72.5,36.5 96.5,36.5 ; 111.5,36.5 135.5,36.5 135.5,0 ; 133.464,15 133.464,34.5 ; 133.464,32.004 133.464,34.544 136.004,34.544 ; 143,-33 143,0 ; 143,33 143,0 ; -143,0 0,0 ; -63.5,-22.86 -63.5,-22.86 ; 0,0 143,0 ; -69.8,-17.36 -69.8,-17.36
Mechanical 3:
  lines w0.013: -154.5,0 -42.5,0 ; 42.5,0 154.5,0
  lines w0.1: -154.5,-3 -154.5,0 ; -154.5,3 -154.5,0 ; -42.5,-3 -42.5,0 -42.5,3 ; 154.5,-3 154.5,0 ; 154.5,3 154.5,0 ; -154.5,0 0,0 154.5,0

## Text inside footprints (layer, text, board x,y; h text height)
U28: Bottom Overlay "ESP-32" at -67.945,-5.207 h2 r270; Bottom Overlay "WROOM" at -70.104,-5.969 h2 r270